# Altium PCB Booster_Main_Board.PcbDoc (part 8 of 13)
Units mm, origin at the board's own origin, x right, y up, seen from the top; angles counter-clockwise.
Board outline 400.01 x 117.51 mm, 4 copper layers (Component Side, Signal Layer 1, Power Plane, Solder Side), stack 1.604 mm thick; 1091 components, 573 nets, 3133 pads, 1954 vias.
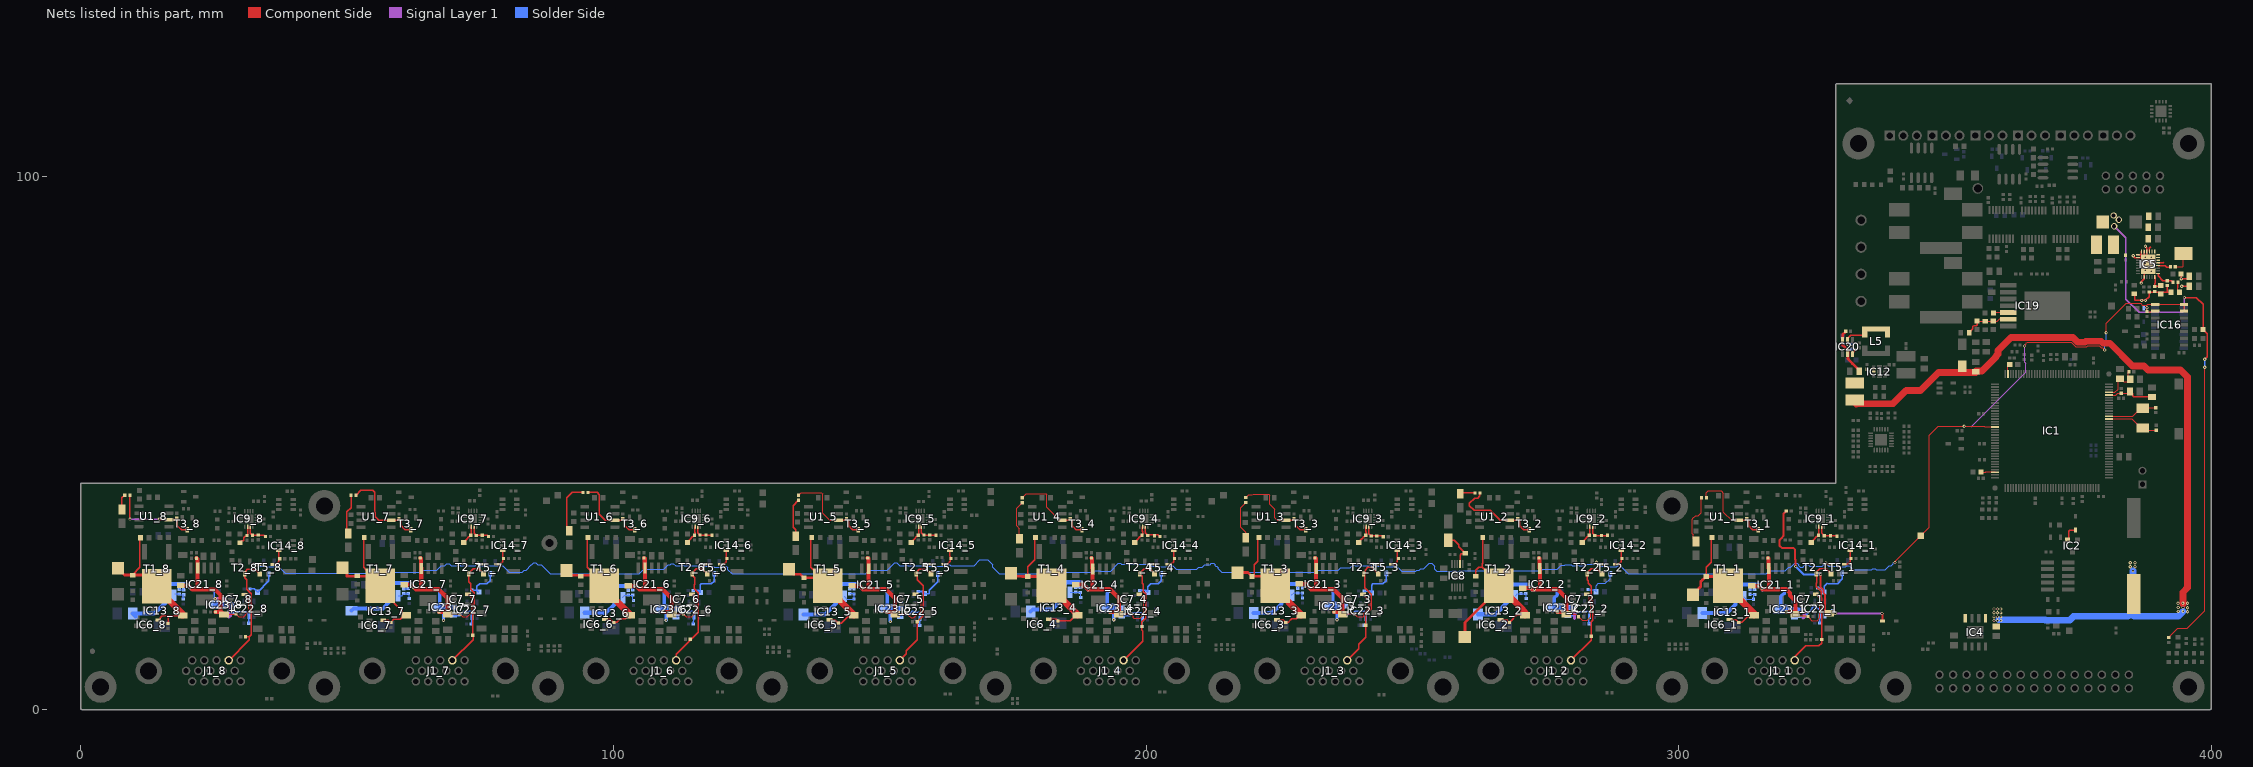
[diagram p10: the nets of this part, all layers, seen from the top]

## Via types
v1: diameter 0.6, hole 0.3, Component Side to Solder Side, tented both sides, 1808 vias
v2: diameter 0.6, hole 0.3, Component Side to Solder Side, 77 vias
v3: diameter 0.5, hole 0.3, Component Side to Solder Side, 40 vias
v4: diameter 1.27, hole 0.711, Component Side to Solder Side, tented both sides, 24 vias
v5: diameter 1.2, hole 0.8, Component Side to Solder Side, tented both sides, 5 vias

## Nets (pads, with @x,y where several pads share a name; then routed paths per layer and width w, separated by ;. In a path a pad name is that pad's centre, name@x,y a point inside that pad or via, vN(x,y) a via of type N, cw(c..) or ccw(c..) an arc to the next point about the centre after c; other vN are vias at no path point) (continued)
N8V0: C31.2 C84_1.1 C84_2.1 C84_3.1 C84_4.1 C84_5.1 C84_6.1 C84_7.1 C84_8.1 IC23_1.2 IC23_1.4 IC23_2.2 IC23_2.4 IC23_3.2 IC23_3.4 IC23_4.2 IC23_4.4 IC23_5.2 IC23_5.4 IC23_6.2 IC23_6.4 IC23_7.2 IC23_7.4 IC23_8.2 IC23_8.4 L4.2 R91.2 R108.1 | length 169.6
  Component Side w0.152: R108.1@392.107,13.457 R108.1@392.008,13.556 393.707,15.254 394.981,15.254 395.009,15.225 395.447,15.225 398.783,18.561 398.783,64.199 v1(398.728,64.254)
  Component Side w0.254: v1(394.928,77.354) 397.128,77.354 398.422,76.06 R91.2@398.422,71.344 399.228,70.538 399.228,66.254 v1(398.728,65.754)
  Signal Layer 1 w0.254: v5(381.728,90.754) 383.928,88.554 383.928,77.054 386.428,74.554 394.628,74.554 394.928,74.854 v1(394.928,77.354)
  Signal Layer 1 w0.635: v1(25.251,20.804) 26.867,20.804 28.038,19.633 28.038,17.631 27.788,17.381 ; 280.428,17.135 280.428,18.815 v1(280.467,18.854) ; 323.328,17.206 323.545,17.424 v1(323.545,18.621)
  Solder Side w0.254: v1@25.073,20.804 C84_8.1@25.073,22.338 ; v1(398.728,64.254) v1(398.728,65.754)
  Solder Side w0.635: v1(25.251,20.804) 25.251,19.866 25.073,19.688 IC23_8.2@27.373,19.688 ; C84_7.1@67.478,22.394 67.393,22.309 IC23_7.4@67.393,19.154 ; v1(68.092,16.777) 68.092,18.456 IC23_7.4@67.393,19.154 ; IC23_7.2@69.693,19.154 IC23_7.4@67.393,19.154 ; IC23_6.4@109.499,18.864 109.085,18.864 109.566,19.345 C84_6.1@109.566,22.064 ; v1(109.885,16.763) 109.885,18.244 109.356,18.773 IC23_6.2@111.242,18.773 ; C84_5.1@151.378,22.254 151.378,19.033 IC23_5.4@151.293,18.948 ; v1(151.988,16.554) 151.988,18.253 IC23_5.4@151.293,18.948 ; IC23_5.2@153.593,18.948 IC23_5.4@151.293,18.948 ; 192.728,21.839 192.728,19.119 IC23_4.4@193.18,19.119 ; v1(193.928,16.854) 193.928,18.37 IC23_4.4@193.18,19.119 ; IC23_4.2@195.028,19.119 IC23_4.4@193.18,19.119 ; IC23_3.4@234.948,19.304 234.528,19.304 235.079,19.855 C84_1.1@235.079,22.304 ; v1(235.828,16.854) 235.828,18.662 235.185,19.304 IC23_3.2@236.828,19.304 ; C84_3.1@277.178,22.331 277.178,21.495 276.628,20.945 276.628,19.131 280.189,19.131 v1(280.467,18.854) ; C84_2.1@319.857,21.953 319.137,21.233 319.137,18.853 321.429,18.853 321.457,18.825 323.341,18.825 v1(323.545,18.621)
  other v5: 382.628,91.954 381.628,92.754
N8V0R: C26.1 C27.1 C29.2 C30.2 C35.1 C59.2 C62.1 C74.2 C75.2 C76.2 IC5.1 IC5.2 IC5.10 IC5.26 IC5.27 IC5.28 IC5.29 L4.1 R19.1 R20.1 R33.1 | length 28
  Component Side w0.254: v1(385.314,85.182) 385.639,84.857 IC5.2@386.208,84.857 IC5.29@386.858,84.857 ; R33.1@385.492,78.184 385.619,78.057 385.619,76.812 v1(386.903,76.812) v1(387.611,76.812) 388.337,77.538 R19.1@388.337,78.362 388.357,78.382 389.505,78.358 C62.1@390.471,78.339 ; IC5.1@386.208,85.357 IC5.29@386.858,85.357 ; v1(386.838,80.051) 386.838,80.352 387.358,80.872 IC5.10@387.358,81.207 387.358,82.857 IC5.29@388.108,83.607 ; IC5.28@386.858,86.007 IC5.29@386.858,85.357 ; IC5.29@386.991,84.851 386.985,84.857 IC5.29@386.858,84.857 ; IC5.27@387.358,86.007 387.358,84.357 IC5.29@386.858,84.857 ; v1(387.6,86.985) 387.858,86.727 IC5.26@387.858,86.007 IC5.29@387.858,84.707 ; R20.1@389.358,78.491 R20.1@389.49,78.489 ; C62.1@390.471,78.336 390.728,78.336 390.86,78.336 391.614,78.336 ; C26.1@391.706,79.627 391.706,78.474 391.614,78.382 391.659,78.336 392.71,78.336 C27.1@392.728,78.354 ; C35.1@394.369,81.778 394.369,80.895 394.411,80.854 395.428,80.854 C74.2@396.028,81.454 ; v1(394.428,79.454) C75.2@396.028,79.454 ; IC5.29@386.858,84.857 IC5.29@386.858,85.357
  other v1: 394.328,80.854
  other v2: 388.728,82.254 387.556,82.469 388.134,83.15 387.528,83.754 388.712,83.83 388.134,84.369 387.556,84.907 388.712,84.907
NetC1_1: C1.1 C28.2 FB1.1 IC1.33 | length 7
  Component Side w0.152: IC1.33@380.753,59.549 381.875,59.549 382.499,60.173 382.499,61.755 383.302,61.755 383.513,61.544 FB1.1@384.404,61.544 ; C1.1@384.358,63.398 384.358,62.213 FB1.1@384.545,62.027
NetC2_1: C2.1 C38.2 FB2.1 IC1.32 | length 8.6
  Component Side w0.152: IC1.32@380.753,59.049 382.06,59.049 382.397,59.385 C38.2@384.48,59.385
  Component Side w0.254: C38.2@384.739,59.69 385.187,59.242 385.187,58.915 385.417,58.686 387.23,58.686 387.234,58.69 388.831,58.69 FB2.1@388.858,58.663
NetC3_1: C3.1 IC1.23 Q1.1 | length 8.7
  Component Side w0.152: IC1.23@380.753,54.549 385.075,54.549 Q1.1@386.232,53.391 ; Q1.1@387.096,52.862 387.499,52.458 C3.1@389.636,52.458
NetC4_1: C4.1 IC1.24 Q1.2 | length 8.5
  Component Side w0.152: IC1.24@380.753,55.049 385.274,55.049 Q1.2@386.309,56.083 ; Q1.2@387.096,56.562 387.195,56.66 C4.1@389.534,56.66
NetC17_2: C17.2 IC1.106 | length 2.7
  Component Side w0.152: C17.2@356.706,44.602 356.759,44.549 357.618,44.549 357.667,44.598 359.304,44.598 IC1.106@359.353,44.549
NetC18_2: C18.2 IC1.71 | length 1.7
  Component Side w0.152: IC1.71@361.803,62.999 C18.2@361.803,64.736
NetC19_1_2: C19_1.2 C45_1.1 C90_1.2 IC7_1.5 IC13_1.3 IC21_1.4 R10_1.2 R11_1.1 R39_1.2 R49_1.2 R122_1.2 | length 48.8
  Component Side w0.152: R39_1.2@321.888,17.885 322.196,17.577 324.363,17.577 R49_1.2@324.368,17.571 ; R49_1.2@324.252,17.455 324.252,17.435 R49_1.2@324.466,17.221 ; IC7_1.5@325.713,21.651 325.924,21.651 326.147,21.427 326.147,21.217 326.513,20.851 326.513,17.245 325.972,16.704 325.003,16.704 ; R49_1.2@324.466,17.221 324.983,16.704 325.003,16.704 ; R49_1.2@324.466,17.221 324.486,17.221 325.003,16.704
  Component Side w0.762: C19_1.2@313.69,23.205 v1(315.098,23.205) 315.718,22.584 316.918,22.584 ; R10_1.2@316.733,28.46 316.878,28.315 316.878,26.6 316.918,26.56 316.918,22.584 ; R11_1.1@320.258,18.335 321.438,18.335 R39_1.2@321.888,17.885 321.888,20.415 320.894,21.409 320.894,21.887 320.197,22.584 316.918,22.584
  Solder Side w0.152: 313.411,23.241 313.411,22.548 C90_1.2@313.385,22.523 314.216,22.523 R122_1.2@314.274,22.581
  Solder Side w0.762: C45_1.1@304.436,18.136 309.077,18.136 310.679,19.737 310.679,21.04 IC13_1.3@310.773,21.134 310.867,21.228 310.867,22.727 311.598,23.459 314.844,23.459 v1@315.615,22.687 ; v1(315.098,23.205) v1@315.615,22.687 ; v1@315.718,22.584 v1@315.615,22.687
  other v1: 315.679,22.751
NetC19_2_2: C19_2.2 C45_2.1 C90_2.2 IC7_2.5 IC13_2.3 IC21_2.4 R10_2.2 R11_2.1 R39_2.2 R49_2.2 R122_2.2 | length 46
  Component Side w0.152: R39_2.2@278.438,18.335 R39_2.2@278.812,17.961 ; R39_2.2@278.888,17.961 R39_2.2@278.812,17.961 ; IC7_2.5@282.713,21.651 282.963,21.651 283.187,21.427 283.187,20.45 283.492,20.146 283.492,17.4 282.822,16.73 281.85,16.73 281.391,17.189 281.371,17.189 281.157,17.403 R49_2.2@281.157,17.423 281.157,17.443 280.943,17.657 280.923,17.657 280.695,17.885 R39_2.2@278.888,17.885 R39_2.2@278.812,17.961
  Component Side w0.762: C19_2.2@270.713,22.798 v1(272.226,22.798) 272.44,22.584 273.918,22.584 ; R10_2.2@273.733,28.46 273.878,28.315 273.878,26.6 273.918,26.56 IC21_2.4@273.918,26.495 273.918,22.584 ; R11_2.1@277.258,18.335 R39_2.2@278.438,18.335 ; R39_2.2@278.888,17.961 278.888,20.893 277.197,22.584 273.918,22.584
  Solder Side w0.152: 270.999,23.495 271.014,23.48
  Solder Side w0.203: C90_2.2@270.434,22.784 270.497,22.72 R122_2.2@271.247,22.72 271.267,22.72 271.584,23.038 271.678,23.038
  Solder Side w0.762: C45_2.1@262.303,17.885 265.564,17.885 267.763,20.084 267.763,21.313 IC13_2.3@267.857,21.407 267.951,21.501 267.951,22.756 268.689,23.495 270.999,23.495 271.53,23.495 v1(272.226,22.798) 272.44,22.584 v1(272.904,22.584)
NetC19_3_2: C19_3.2 C45_3.1 C90_3.2 IC7_3.5 IC13_3.3 IC21_3.4 R10_3.2 R11_3.1 R39_3.2 R49_3.2 R122_3.2 | length 45.8
  Component Side w0.152: R39_3.2@236.888,17.885 236.965,17.961 R49_3.2@239.146,17.961 239.146,17.941 239.36,17.728 239.479,17.728 239.568,17.638 239.568,17.557 239.702,17.423 240.097,17.423 240.117,17.403 240.804,17.403 240.872,17.471 240.872,18.109 241.873,19.11 241.873,20.491 241.147,21.217 241.147,21.427 240.924,21.651 IC7_3.5@240.713,21.651
  Component Side w0.762: C19_3.2@228.727,23.586 229.983,23.586 v1(230.183,23.385) v1(230.701,22.867) 230.984,22.584 231.918,22.584 ; R10_3.2@231.733,28.46 231.878,28.315 231.878,26.6 231.918,26.56 231.918,22.584 ; R11_3.1@235.258,18.335 236.438,18.335 R39_3.2@236.888,17.885 236.888,20.893 235.197,22.584 231.918,22.584
  Solder Side w0.152: C90_3.2@228.448,22.777 228.448,23.495 228.498,23.546 ; 229.234,23.586 229.342,23.477 R122_3.2@229.342,22.847
  Solder Side w0.762: C45_3.1@220.178,18.13 223.66,18.13 225.386,19.855 225.386,20.394 225.877,20.886 IC13_3.3@225.877,21.486 225.971,21.58 225.971,23.108 226.449,23.586 229.234,23.586 229.983,23.586 v1(230.183,23.385) v1(230.701,22.867)
NetC19_4_2: C19_4.2 C45_4.1 C90_4.2 IC7_4.5 IC13_4.3 IC21_4.4 R10_4.2 R11_4.1 R39_4.2 R49_4.2 R122_4.2 | length 46.1
  Component Side w0.152: R39_4.2@194.888,17.885 194.965,17.961 R49_4.2@197.146,17.961 197.146,17.941 197.36,17.728 197.38,17.728 197.578,17.53 197.578,17.269 197.667,17.18 198.857,17.18 199.513,17.836 199.513,21.277 199.36,21.43 198.935,21.43 IC7_4.5@198.713,21.651
  Component Side w0.762: C19_4.2@186.766,23.459 188.174,23.459 189.049,22.584 189.918,22.584 ; R10_4.2@189.733,28.46 189.878,28.315 189.878,26.6 189.918,26.56 189.918,22.584 ; R11_4.1@193.258,18.335 194.438,18.335 R39_4.2@194.888,17.885 194.888,20.893 193.197,22.584 189.918,22.584
  Solder Side w0.203: C90_4.2@186.792,22.954 186.797,22.949 187.541,22.949 R122_4.2@187.604,23.012 ; R122_4.2@187.63,22.949 187.65,22.949 188.011,23.31 188.011,23.393
  Solder Side w0.762: C45_4.1@178.336,18.371 178.761,18.796 182.349,18.796 184.119,20.566 184.119,21.885 IC13_4.3@184.213,21.979 184.213,22.579 184.705,23.07 184.705,23.466 185.131,23.892 187.741,23.892 188.077,23.556 v1@189.049,22.584
  other v1: 189.166,22.604 188.512,23.258
NetC19_5_2: C19_5.2 C45_5.1 C90_5.2 IC7_5.5 IC13_5.3 IC21_5.4 R10_5.2 R11_5.1 R39_5.2 R49_5.2 R122_5.2 | length 46.3
  Component Side w0.152: R39_5.2@152.888,17.885 152.965,17.961 R49_5.2@155.146,17.961 155.146,17.941 155.36,17.728 155.38,17.728 155.903,17.205 156.405,17.205 157.688,18.488 157.688,18.925 157.822,19.059 157.822,20.857 157.252,21.427 156.937,21.427 IC7_5.5@156.713,21.651
  Component Side w0.762: C19_5.2@144.78,23.205 146.264,23.205 146.885,22.584 147.918,22.584 ; R10_5.2@147.733,28.46 147.878,28.315 147.878,26.6 147.918,26.56 147.918,22.584 ; R11_5.1@151.258,18.335 152.438,18.335 R39_5.2@152.888,17.885 152.888,20.893 151.197,22.584 147.918,22.584
  Solder Side w0.152: C90_5.2@144.45,22.733 145.098,22.733 R122_5.2@145.177,22.654 145.177,23.504 145.126,23.555
  Solder Side w0.762: C45_5.1@135.678,17.854 139.742,17.854 141.791,19.904 141.791,21.172 IC13_5.3@141.885,21.266 141.979,21.36 141.979,22.651 142.883,23.555 145.126,23.555 145.914,23.555 v1@146.707,22.761
  other v1: 146.776,22.83 146.146,23.46
NetC19_6_2: C19_6.2 C45_6.1 C90_6.2 IC7_6.5 IC13_6.3 IC21_6.4 R10_6.2 R11_6.1 R39_6.2 R49_6.2 R122_6.2 | length 44.3
  Component Side w0.152: R39_6.2@110.888,17.885 110.965,17.961 R49_6.2@113.146,17.961 113.146,17.941 113.36,17.728 113.38,17.728 113.685,17.423 114.737,17.423 115.572,18.258 115.572,20.855 115.179,21.248 115.179,21.427 114.955,21.651 IC7_6.5@114.713,21.651
  Component Side w0.762: C19_6.2@102.819,23.23 104.278,23.23 104.924,22.584 105.918,22.584 ; R10_6.2@105.733,28.46 105.878,28.315 105.878,26.6 IC21_6.4@105.918,26.56 105.918,22.584 ; R11_6.1@109.258,18.335 110.438,18.335 R39_6.2@110.888,17.885 110.888,20.893 109.197,22.584 105.918,22.584
  Solder Side w0.152: 102.768,22.962 102.794,22.936 C90_6.2@102.794,22.421 ; 103.515,23.215 103.638,23.092 R122_6.2@103.638,22.434
  Solder Side w0.203: 103.041,23.215 103.128,23.128
  Solder Side w0.762: C45_6.1@94.574,18.175 98.604,18.175 100.184,19.755 100.184,20.893 IC13_6.3@100.278,20.987 100.372,21.081 100.372,22.647 100.94,23.215 103.041,23.215 103.515,23.215 v1(103.99,23.215) 104.293,23.215 v1(104.601,22.907)
NetC19_7_2: C19_7.2 C45_7.1 C90_7.2 IC7_7.5 IC13_7.3 IC21_7.4 R10_7.2 R11_7.1 R39_7.2 R49_7.2 R122_7.2 | length 46.1
  Component Side w0.152: R39_7.2@68.888,17.885 68.965,17.961 R49_7.2@71.146,17.961 71.146,17.941 71.36,17.728 71.38,17.728 71.685,17.423 72.588,17.423 73.513,18.348 73.513,20.851 73.147,21.217 73.147,21.427 72.924,21.651 IC7_7.5@72.713,21.651
  Component Side w0.762: C19_7.2@60.757,23.459 62.012,23.459 62.281,23.19 ; v1@62.499,22.998 62.912,22.584 63.918,22.584 ; R10_7.2@63.733,28.46 63.878,28.315 63.878,26.6 63.918,26.56 63.918,22.584 ; R11_7.1@67.258,18.335 68.438,18.335 R39_7.2@68.888,17.885 68.888,20.893 67.197,22.584 63.918,22.584
  Solder Side w0.152: C90_7.2@60.655,22.682 61.468,22.682 R122_7.2@61.544,22.758 ; R122_7.2@61.493,22.695 61.513,22.695 61.958,23.139 v1@62.078,23.139
  Solder Side w0.762: C45_7.1@50.825,18.565 51.266,19.006 56.719,19.006 57.965,20.252 57.965,21.267 IC13_7.3@58.059,21.361 58.059,23.32 58.534,23.794 61.702,23.794 v1@62.061,23.435 ; v1@62.217,23.279 v1@62.475,23.021
  other v1: 62.431,22.93 61.994,23.367
NetC19_8_2: C19_8.2 C45_8.1 C90_8.2 IC7_8.5 IC13_8.3 IC21_8.4 R10_8.2 R11_8.1 R39_8.2 R49_8.2 R122_8.2 | length 45.9
  Component Side w0.152: R39_8.2@26.888,17.856 29.09,17.856 29.146,17.912 29.36,17.699 29.38,17.699 29.685,17.394 30.582,17.394 31.011,17.823 31.011,17.861 31.583,18.432 31.583,18.985 31.513,19.054 31.513,20.822 31.147,21.188 31.147,21.398 30.924,21.622 IC7_8.5@30.713,21.622
  Component Side w0.762: C19_8.2@18.728,23.354 18.787,23.295 v1(19.892,23.295) 20.187,23.295 20.927,22.555 21.918,22.555 ; R10_8.2@21.733,28.431 21.878,28.286 21.878,26.571 21.918,26.531 21.918,22.555 ; R11_8.1@25.258,18.306 26.438,18.306 R39_8.2@26.888,17.856 ; 26.223,18.521 26.223,21.529 25.197,22.555 21.918,22.555
  Solder Side w0.203: C90_8.2@18.567,22.631 18.567,22.624 18.7,22.492 R122_8.2@19.304,22.492 ; R122_8.2@19.177,22.53 19.234,22.586 19.234,23.138 19.641,23.546
  Solder Side w0.762: C45_8.1@10.265,17.482 9.746,18.001 C45_8.1@9.746,18.046 13.879,18.046 15.852,20.02 15.852,21.324 IC13_8.3@15.946,21.418 15.978,21.45 15.978,23.096 16.428,23.546 19.641,23.546 v1(19.892,23.295) 20.187,23.295 v1@20.528,22.955
  other v1: 20.483,22.863
NetC20_1_2: C20_1.2 R35_1.1 T3_1.3 U1_1.2 | length 16.7
  Component Side w0.152: R35_1.1@305.198,39.754 305.198,40.724 305.516,41.042 307.941,41.042 308.376,40.606 308.376,37.077 309.928,35.525 U1_1.2@311.263,35.525
  Component Side w0.254: U1_1.2@311.263,35.525 312.455,35.525 C20_1.2@312.755,35.825 313.136,35.444 313.136,34.548 313.93,33.753 T3_1.3@314.964,33.753
NetC20_2_2: C20_2.2 R35_2.1 T3_2.3 U1_2.2 | length 17.4
  Component Side w0.254: R35_2.1@262.682,40.661 262.682,40.108 262.228,39.654 261.66,39.654 260.698,38.693 260.698,38.284 261.583,37.399 264.583,37.399 266.457,35.525 U1_2.2@268.263,35.525 269.455,35.525 C20_2.2@269.755,35.825 270.136,35.444 270.136,34.548 270.93,33.753 T3_2.3@271.964,33.753
NetC20_3_2: C20_3.2 R35_3.1 T3_3.3 U1_3.2 | length 17
  Component Side w0.152: R35_3.1@218.728,39.784 219.228,40.284 219.893,40.284 220.073,40.464 223.008,40.464 223.228,40.243 223.228,39.002 223.2,38.973 223.2,38.535 224.171,37.563 224.171,35.975 224.621,35.525 U1_3.2@226.263,35.525
  Component Side w0.254: U1_3.2@226.263,35.525 227.455,35.525 C20_3.2@227.755,35.825 228.136,35.444 228.136,34.548 228.93,33.753 T3_3.3@229.964,33.753
NetC20_4_2: C20_4.2 R35_4.1 T3_4.3 U1_4.2 | length 16.6
  Component Side w0.152: R35_4.1@176.728,39.759 177.477,40.508 181.228,40.508 181.385,40.352 181.385,37.96 182.699,36.645 182.699,36.535 183.709,35.525 U1_4.2@184.263,35.525
  Component Side w0.254: U1_4.2@184.263,35.525 185.455,35.525 C20_4.2@185.755,35.825 186.136,35.444 186.136,34.548 186.93,33.753 T3_4.3@187.964,33.753
NetC20_5_2: C20_5.2 R35_5.1 T3_5.3 U1_5.2 | length 17.3
  Component Side w0.152: R35_5.1@134.728,40.224 135.246,40.742 139.04,40.742 139.263,40.518 139.263,36.835 140.573,35.525 U1_5.2@142.263,35.525
  Component Side w0.254: U1_5.2@142.263,35.525 143.455,35.525 C20_5.2@143.755,35.825 144.136,35.444 144.136,34.548 144.93,33.753 T3_5.3@145.964,33.753
NetC20_6_2: C20_6.2 R35_6.1 T3_6.3 U1_6.2 | length 14.6
  Component Side w0.254: R35_6.1@95.198,40.754 96.931,40.754 97.334,40.351 97.334,36.648 98.457,35.525 U1_6.2@100.263,35.525 101.455,35.525 C20_6.2@101.755,35.825 102.136,35.444 102.136,34.548 102.93,33.753 T3_6.3@103.964,33.753
NetC20_7_2: C20_7.2 R35_7.1 T3_7.3 U1_7.2 | length 17.1
  Component Side w0.254: R35_7.1@51.698,40.254 52.581,41.137 54.845,41.137 55.228,40.754 55.228,37.073 55.308,36.994 55.308,36.175 55.957,35.525 U1_7.2@58.263,35.525 59.455,35.525 C20_7.2@59.755,35.825 60.136,35.444 60.136,34.548 60.93,33.753 T3_7.3@61.964,33.753
NetC20_8_2: C20_8.2 R35_8.1 T3_8.3 U1_8.2 | length 17.5
  Component Side w0.254: R35_8.1@9.198,40.254 9.198,35.784 v1(9.228,35.754) ; v1(14.728,35.754) 14.863,35.619 U1_8.2@16.553,35.619 ; U1_8.2@16.263,35.496 17.556,35.496 C20_8.2@18.034,35.974 18.136,35.872 18.136,34.519 18.93,33.724 T3_8.3@19.964,33.724
  Signal Layer 1 w0.254: v1(9.228,35.754) v1(14.728,35.754)
NetC21_2: C21.2 C54.1 C61.1 D3.1 IC4.5 IC4.8 L1.1 | length 158
  Component Side w1.27: L1.1@333.324,57.379 333.375,57.429 340.233,57.429 342.697,59.893 345.358,59.893 348.762,63.297 C54.1@355.753,63.297 ; C54.1@355.753,63.454 355.753,63.499 355.818,63.564 356.941,63.564 359.567,66.191 359.567,66.341 359.922,66.695 359.922,67.391 362.389,69.858 374.011,69.858 374.928,68.941 376.195,68.941 376.401,69.146 379.293,69.146 379.664,68.775 380.914,68.775 385.193,64.496 387.358,64.496 388.094,63.76 394.195,63.76 395.491,62.465 395.491,22.873 394.64,22.022 v1(394.64,19.939) 394.64,19.812 v1@394.691,19.761
  Solder Side w1.27: v1@360.07,16.84 368.754,16.84 368.841,16.754 373.37,16.754 374.12,17.504 384.292,17.504 384.487,17.699 385.387,17.699 ; v1(385.267,26.035) 385.267,17.819 385.387,17.699 ; v1(394.691,18.44) 394.221,17.97 393.754,17.504 385.582,17.504 385.387,17.699
  other v1: 359.181,16.688 359.842,16.688 360.477,16.688 359.181,17.399 359.842,17.399 360.477,17.399 360.477,18.136 359.181,18.161 359.816,18.161 395.529,18.364 393.776,18.415 359.181,18.872 359.816,18.872 360.477,18.872 395.529,19.126 393.776,19.152 394.665,19.152 393.725,19.964 395.529,19.964 384.759,26.797 385.648,26.797 384.759,27.559 385.648,27.559
NetC23_1: C23.1 IC5.18 | length 2.5
  Component Side w0.254: IC5.18@390.008,83.357 391.33,83.357 391.657,83.03 C23.1@392.376,83.03
NetC23_2: C23.2 IC5.19 IC5.20 IC5.21 IC5.22 IC5.23 IC5.24 IC5.25 L3.1 | length 5.6
  Component Side w0.152: C23.2@393.228,83.104 394.578,83.104 394.728,83.254 394.728,84.854 L3.1@395.053,85.179
  Component Side w0.254: IC5.25@388.358,86.007 388.358,86.584 388.628,86.854 ; IC5.19@390.008,83.857 390.931,83.857 391.028,83.954
NetC26_2: C26.2 IC5.15 R15.2 | length 3.9
  Component Side w0.254: IC5.15@390.214,81.857 IC5.15@390.008,81.857 390.008,81.419 390.901,80.527 C26.2@391.706,80.527 392.443,80.527 392.575,80.395 392.595,80.395 392.758,80.232 R15.2@392.758,80.212
NetC27_2: C27.2 R15.1 | length 3.1
  Component Side w0.152: 393.728,79.187 393.728,80.182 R15.1@393.698,80.212 393.698,78.644 C27.2@394.028,78.314
NetC41_1_2: C41_1.2 C42_1.1 IC9_1.15 R83_1.2 | length 4.4
  Component Side w0.305: IC9_1.15@326.822,34.339 326.822,33.127 C41_1.2@327.322,32.627 C42_1.1@328.476,32.627 329.559,32.627 R83_1.2@329.704,32.482
NetC41_2_2: C41_2.2 C42_2.1 IC9_2.15 R83_2.2 | length 4.3
  Component Side w0.254: IC9_2.15@283.822,34.339 283.822,33.053 C41_2.2@284.213,32.662 C42_2.1@285.476,32.662 286.603,32.662 R83_2.2@286.666,32.725
NetC41_3_2: C41_3.2 C42_3.1 IC9_3.15 R83_3.2 | length 4.3
  Component Side w0.254: IC9_3.15@241.822,34.339 241.822,33.022 C42_3.1@242.258,32.586 C41_3.2@243.287,32.586 244.383,32.586 R83_3.2@244.529,32.441
NetC41_4_2: C41_4.2 C42_4.1 IC9_4.15 R83_4.2 | length 4.3
  Component Side w0.254: IC9_4.15@199.822,34.339 199.822,33.181 C41_4.2@200.322,32.681 200.412,32.77 202.258,32.77 202.373,32.655 202.383,32.655 202.556,32.482 R83_4.2@202.556,32.472
NetC41_5_2: C41_5.2 C42_5.1 IC9_5.15 R83_5.2 | length 4.1
  Component Side w0.254: IC9_5.15@157.822,34.339 157.822,33.228 C41_5.2@158.293,32.758 160.546,32.758 R83_5.2@160.579,32.725
NetC41_6_2: C41_6.2 C42_6.1 IC9_6.15 R83_6.2 | length 4.1
  Component Side w0.254: IC9_6.15@115.822,34.339 115.822,33.176 C41_6.2@116.233,32.766 118.516,32.766 R83_6.2@118.556,32.725
NetC41_7_2: C41_7.2 C42_7.1 IC9_7.15 R83_7.2 | length 4.4
  Component Side w0.254: IC9_7.15@73.822,34.339 73.822,33.098 C42_7.1@74.233,32.687 76.375,32.687 76.417,32.645 76.524,32.645 76.697,32.472 R83_7.2@76.697,32.462
NetC41_8_2: C41_8.2 C42_8.1 IC9_8.15 R83_8.2 | length 4.3
  Component Side w0.254: IC9_8.15@31.822,34.31 31.822,33.118 C41_8.2@32.233,32.708 34.344,32.708 34.398,32.655 34.493,32.655 34.666,32.482 R83_8.2@34.666,32.472
NetC43_1: C43.1 IC8.7 R54.2 | length 7.3
  Component Side w0.254: C43.1@256.728,31.801 257.872,31.801 258.729,30.944 258.729,30.549 259.555,29.723 259.555,29.673 259.878,29.35 R54.2@259.928,29.35 259.832,29.253 259.196,29.253 258.928,28.985 IC8.7@258.928,27.315
NetC46_1: C46.1 IC20.6 | length 1.8
  Component Side w0.254: IC20.6@332.649,66.729 332.649,67.004 332.93,67.285 332.93,67.325 333.115,67.51 v1(333.115,67.604)
  Solder Side w0.254: C46.1@332.459,67.698 332.506,67.651 333.068,67.651 v1(333.115,67.604)
NetC46_2: C46.2 IC20.2 L5.1 | length 5.4
  Component Side w0.254: v1(331.701,68.556) 331.7,68.558 331.7,69.428 IC20.2@331.699,69.429 331.699,69.704 332.281,70.287 333.312,70.287 333.334,70.308 334.813,70.308 L5.1@334.909,70.404
  Solder Side w0.254: v1(331.701,68.556) 331.722,68.577 332.438,68.577 C46.2@332.459,68.598
NetC48_1_2: C48_1.2 IC9_1.14 R56_1.2 | length 3.9
  Component Side w0.254: R56_1.2@324.769,31.446 324.769,31.335 325.526,32.091 325.596,32.091 325.627,32.122 325.627,32.237 325.791,32.401 325.906,32.401 C48_1.2@326.217,32.712 ; C48_1.2@326.204,32.724 326.322,32.843 326.322,33.335 326.319,33.339 326.319,34.335 IC9_1.14@326.322,34.339
NetC48_2_2: C48_2.2 IC9_2.14 R56_2.2 | length 3.9
  Component Side w0.254: R56_2.2@281.769,31.446 281.769,31.335 282.526,32.091 282.596,32.091 282.627,32.122 282.627,32.237 282.791,32.401 282.906,32.401 C48_2.2@283.217,32.712 ; C48_2.2@283.204,32.724 283.322,32.843 283.322,33.384 283.291,33.415 283.291,34.308 IC9_2.14@283.322,34.339